# Altium PCB LPC_DevBoard.PcbDoc
Units mm, origin at the board's own origin, x right, y up, seen from the top; angles counter-clockwise.
Board outline 95 x 45 mm, 4 copper layers (Top Layer, Layer 1, Layer 2, Bottom Layer), stack 1.171 mm thick; 143 components, 122 nets, 561 pads, 0 vias.
Unrouted connection lines stored in the file: 393.
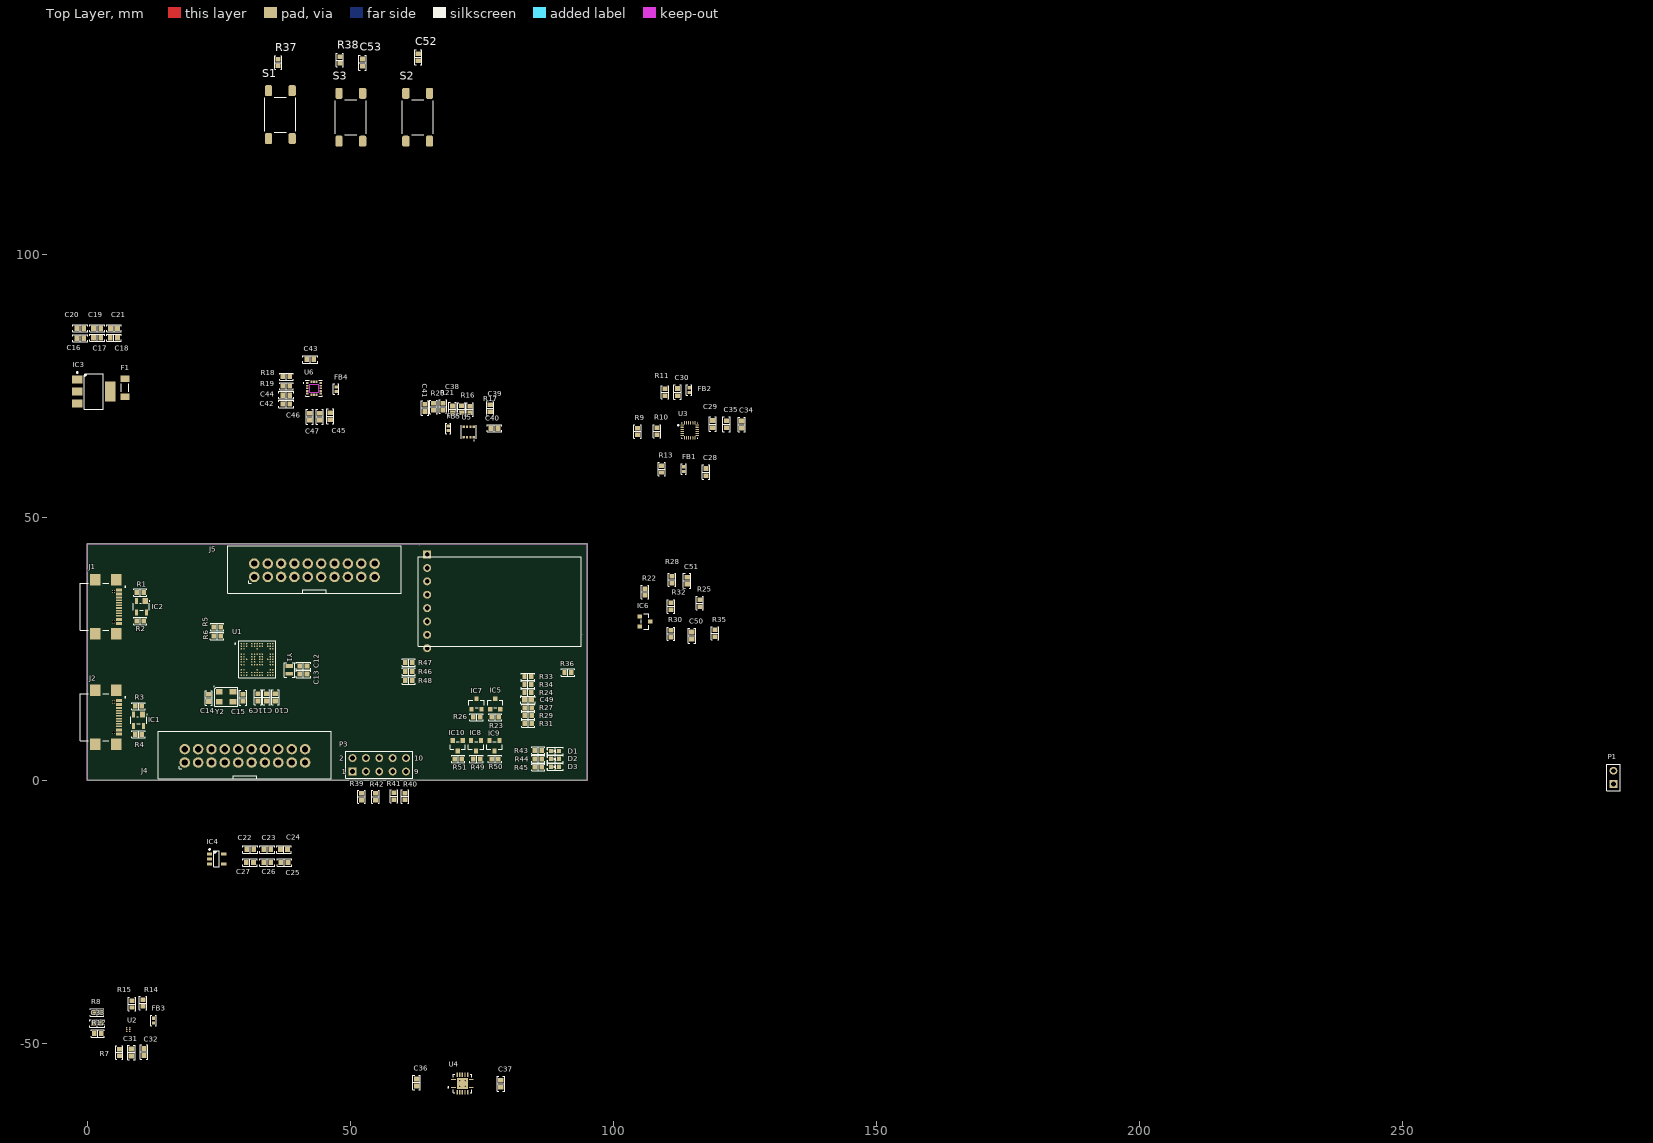
[diagram p0: Top Layer view]
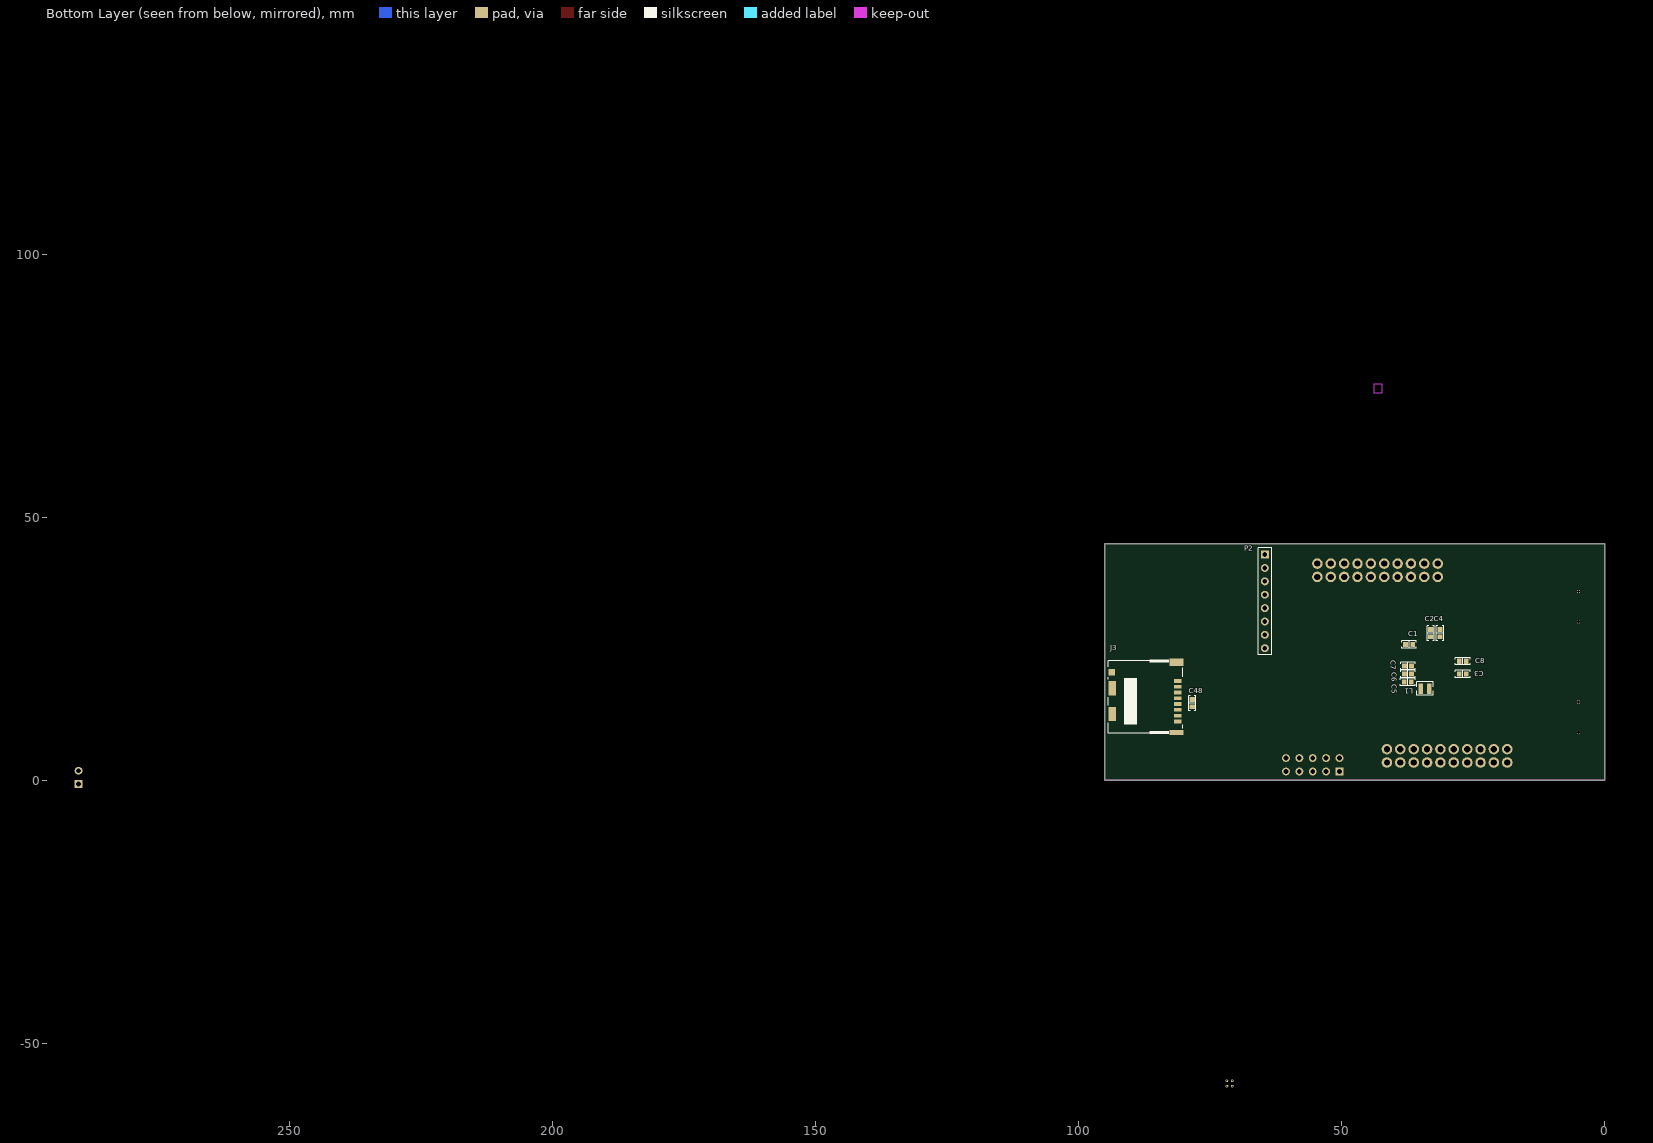
[diagram p1: Bottom Layer view, seen from below]

## Layer stack, top to bottom
Top Solder: solder mask 0.0102, Solder Resist, Dk 3.8
Top Layer: signal copper 0.0356
Dielectric 2: prepreg 0.2, PP-006, Dk 4.6
Layer 1: signal copper 0.0175
Dielectric 1: dielectric 0.665, FR-4, Dk 4.6
Layer 2: signal copper 0.0175
Dielectric 3: prepreg 0.2, PP-006, Dk 4.6
Bottom Layer: signal copper 0.0356
Bottom Solder: solder mask 0.0102, Solder Resist, Dk 3.8

## Board outline
0,5 0,45 95,45 95,0 0,0

## Design rules (kind name [scope] priority, off if disabled: settings)
Clearance [All] p1: gap=0.089 ignorepadtopadclearanceinfootprint=FALSE
DiffPairsRouting [All] p1: maxlimit=0.254 minlimit=0.254 mostfreqgap=0.254 toplayer_minwidth=0.381 toplayer_maxwidth=0.381 toplayer_prefwidth=0.381 midlayer1_minwidth=0.381 midlayer1_maxwidth=0.381 midlayer1_prefwidth=0.381 midlayer2_minwidth=0.381 midlayer2_maxwidth=0.381 midlayer2_prefwidth=0.381 bottomlayer_minwidth=0.381 bottomlayer_maxwidth=0.381 bottomlayer_prefwidth=0.381 maxuncoupledlength=12.7
PolygonConnect [All] p1: connectstyle=Relief reliefconductorwidth=0.254 reliefentries=4 polygonreliefangle="90 Angle" airgapwidth=0.254
RoutingVias [All] p1: holewidth=0.25 width=0.45 viastyle="Through Hole" minholewidth=0.2 minwidth=0.45 maxholewidth=1 maxwidth=1.6
SolderMaskExpansion [All] p1: expansion=0.102 istentingtop=FALSE
Width [All] p1: maxlimit=1 minlimit=0.102 preferedwidth=0.2
29 further rules are at their usual default settings.

## Classes and differential pairs
component class Sensors: C28 C29 C30 C31 C32 C33 C34 C35 C36 C37 C38 C39 C40 C41 C42 C43 C44 C45 C46 C47 FB1 FB2 FB3 FB4 FB5 R7 R8 R9 R10 R11 R12 R13 R14 R15 R16 R17 R18 R19 R20 R21 U2 U3 U4 U5 U6
component class microSD_Display: C48 C49 C50 C51 C52 C53 D1 D2 D3 IC5 IC6 IC7 IC8 IC9 IC10 J3 P1 P2 P3 R22 R23 R24 R25 R26 R27 R28 R29 R30 R31 R32 R33 R34 R35 R36 R37 R38 R39 R40 R41 R42 R43 R44 R45 R46 R47 R48 R49 R50 R51 S1 S2 S3
component class Main: C1 C2 C3 C4 C5 C6 C7 C8 C9 C10 C11 C12 C13 C14 C15 C16 C17 C18 C19 C20 C21 C22 C23 C24 C25 C26 C27 F1 IC1 IC2 IC3 IC4 J1 J2 J4 J5 L1 R1 R2 R3 R4 R5 R6 U1 Y1 Y2
differential pair USB_D: +USB_D_P -USB_D_N
differential pair USB1_D: +USB1_D_P -USB1_D_N

## Components (designator, comment, footprint, x,y, rotation, side; value= is the part's Value field where it differs from the comment)
C1 "0.1 µF" "CAP 0603_1608" 37.194,25.816 r180 bottom
C2 "0.1 µF" "CAP 0603_1608" 33.09,27.975 r270 bottom
C3 "0.1 µF" "CAP 0603_1608" 26.994,20.228 r0 bottom
C4 "0.1 µF" "CAP 0603_1608" 31.312,27.975 r270 bottom
C5 "0.1 µF" "CAP 0603_1608" 37.448,18.704 r180 bottom
C6 "0.1 µF" "CAP 0603_1608" 37.408,20.228 r180 bottom
C7 "0.1 µF" "CAP 0603_1608" 37.408,21.752 r180 bottom
C8 "0.1 µF" "CAP 0603_1608" 26.994,22.641 r0 bottom
C9 "22µF" "CAP 0603_1608" 32.455,15.783 r270 top
C10 "0.1 µF" "CAP 0603_1608" 35.757,15.783 r90 top
C11 "47 pF" "CAP 0603_1608" 34.106,15.783 r90 top
C12 "12 pF" "CAP 0603_1608" 41.091,21.752 r0 top
C13 "12 pF" "CAP 0603_1608" 41.091,20.228 r0 top
C14 "12 pF" "CAP 0603_1608" 23.1,15.675 r270 top
C15 "12 pF" "CAP 0603_1608" 29.6,15.7 r90 top
C16 "22µF" "CAP 0603_1608" -1.3,84 r180 top
C17 "0.1 µF" "CAP 0603_1608" 1.9,84.1 r180 top
C18 "47 pF" "CAP 0603_1608" 5.075,84.1 r0 top
C19 "0.47 µF" "CAP 0603_1608" 1.9,85.9 r180 top
C20 "0.1 µF" "CAP 0603_1608" -1.325,85.9 r0 top
C21 "4.7 µF" "CAP 0603_1608" 5.1,85.9 r0 top
C22 "0.47 µF" "CAP 0603_1608" 30.975,-13.1 r180 top
C23 "0.1 µF" "CAP 0603_1608" 34.225,-13.1 r180 top
C24 "4.7 µF" "CAP 0603_1608" 37.4,-13.1 r180 top
C25 "22µF" "CAP 0603_1608" 37.475,-15.6 r180 top
C26 "47 pF" "CAP 0603_1608" 34.225,-15.6 r180 top
C27 "0.1 µF" "CAP 0603_1608" 30.925,-15.6 r180 top
C28 "0.1 µF" "CAP 0603_1608" 117.574,58.575 r90 top
C29 "0.1 µF" "CAP 0603_1608" 118.874,67.7 r90 top
C30 "0.1 µF" "CAP 0603_1608" 112.174,73.775 r90 top
C31 "20pF" "CAP 0603_1608" 8.4,-51.7 r90 top
C32 "0.1 µF" "CAP 0603_1608" 10.8,-51.6 r90 top
C33 "20pF" "CAP 0603_1608" 1.9,-46.2 r180 top
C34 "20pF" "CAP 0603_1608" 124.374,67.6 r90 top
C35 "20pF" "CAP 0603_1608" 121.474,67.675 r90 top
C36 "0.1 µF" "CAP 0603_1608" 62.6,-57.4 r90 top
C37 "0.1 µF" "CAP 0603_1608" 78.6,-57.65 r90 top
C38 "20pF" "CAP 0603_1608" 69.4,70.475 r90 top
C39 "0.1 µF" "CAP 0603_1608" 76.6,70.7 r270 top
C40 "0.1 µF" "CAP 0603_1608" 77.375,66.9 r0 top
C41 "20pF" "CAP 0603_1608" 64.2,70.775 r90 top
C42 "20pF" "CAP 0603_1608" 37.825,71.5 r180 top
C43 "0.1 µF" "CAP 0603_1608" 42.4,80 r180 top
C44 "20pF" "CAP 0603_1608" 37.825,73.2 r180 top
C45 "0.1 µF" "CAP 0603_1608" 46.2,69.2 r270 top
C46 "1 µF" "CAP 0603_1608" 42.3,69.1 r270 top
C47 "10 µF" "CAP 0603_1608" 44.2,69.1 r270 top
C48 "0.1 µF" "CAP 0603_1608" 78.4,14.675 r90 bottom
C49 "0.47 µF" "CAP 0603_1608" 83.775,15.3 r180 top
C50 "0.1 µF" "CAP 0603_1608" 114.9,27.5 r90 top
C51 "0.1 µF" "CAP 0603_1608" 114,37.925 r90 top
C52 "10000pF" "CAP 0603_1608" 62.9,137.4 r90 top
C53 "10000pF" "CAP 0603_1608" 52.3,136.375 r90 top
D1 "Red" "LED 0603_1608 RED" 88.9,5.6 r180 top
D2 "Green" "LED 0603_1608 GREEN" 88.9,4.1 r180 top
D3 "Blue" "LED 0603_1608 BLUE" 88.9,2.6 r180 top
F1 "3413.0215.22" "FUSE 1206_3216 0.6MM" 7.2,74.6 r90 top
FB1 "100 Ohms @ 100MHz" "FER 0402_1005" 113.374,59.16 r90 top
FB2 "100 Ohms @ 100MHz" "FER 0402_1005" 114.374,74.16 r90 top
FB3 "100 Ohms @ 100MHz" "FER 0402_1005" 12.6,-45.64 r90 top
FB4 "100 Ohms @ 100MHz" "FER 0402_1005" 47.3,74.34 r90 top
FB5 "100 Ohms @ 100MHz" "FER 0402_1005" 68.6,66.9 r270 top
IC1 "PRTR5V0U2X,215" SOT143B 9.779,11.43 r270 top
IC2 "PRTR5V0U2X,215" SOT143B 10.3,33 r270 top
IC3 "NCP1117LPST33T3G" "ON SEMI SOT-223 ST(318H)" 1.25,73.9 r0 top
IC4 "TPS76318DBVR" "TI SOT-23-5 DBV" 24.6,-14.9 r0 top
IC5 "BSS84-7-F" "DIODES SOT-23-3" 77.55,14.5 r90 top
IC6 "BSS84-7-F" "DIODES SOT-23-3" 106,30.2 r0 top
IC7 "BSS138-7-F" "DIODES SOT-23-3" 74,14.5 r90 top
IC8 "BSS138-7-F" "DIODES SOT-23-3" 73.9,6.6 r270 top
IC9 "BSS138-7-F" "DIODES SOT-23-3" 77.4,6.6 r270 top
IC10 "BSS138-7-F" "DIODES SOT-23-3" 70.4,6.6 r270 top
J1 "USB4110-GF-A_REVB2" USBNew 5,33 r270 top
J2 "USB4110-GF-A_REVB" GCT_USB4110-GF-A_REVB 5,12 r270 top
J3 "DM3CS-SF" "HIROSE DM3CS" 87.425,15.775 r90 bottom locked
J4 "SBH11-NBPC-D10-ST-BK" "SULLINS SBH11-NBPC-D10-ST-BK" 29.97,4.67 r90 top
J5 "SBH11-NBPC-D10-ST-BK" "SULLINS SBH11-NBPC-D10-ST-BK" 43.19,39.93 r90 top
L1 "4.7 µH" "TDK VLS252012CX" 34.17,17.434 r0 bottom
P1 "Header 2" HDR1X2 290,-0.7 r90 top
P2 "1.14\" IPS LCD" HDR1X8 64.6,42.9 r270 bottom
P3 "Header 5X2" HDR2X5 50.42,1.7 r0 top
R1 "5.1 kOhms" "RES 0603_1608" 10.1,35.7 r180 top
R2 "5.1 kOhms" "RES 0603_1608" 10.1,30.3 r0 top
R3 "5.1 kOhms" "RES 0603_1608" 9.764,14.097 r180 top
R4 "5.1 kOhms" "RES 0603_1608" 9.764,8.763 r0 top
R5 "33 Ohms" "RES 0603_1608" 24.708,29.118 r0 top
R6 "33 Ohms" "RES 0603_1608" 24.693,27.467 r0 top
R7 "33 Ohms" "RES 0603_1608" 6.1,-51.7 r270 top
R8 "33 Ohms" "RES 0603_1608" 1.9,-44.1 r180 top
R9 "33 Ohms" "RES 0603_1608" 104.574,66.3 r90 top
R10 "33 Ohms" "RES 0603_1608" 108.274,66.35 r90 top
R11 "0 Ohms" "RES 0603_1608" 109.774,73.75 r90 top
R12 "10 kOhms" "RES 0603_1608" 2,-48.1 r180 top
R13 "0 Ohms" "RES 0603_1608" 109.174,59.15 r90 top
R14 "0 Ohms" "RES 0603_1608" 10.6,-42.3 r90 top
R15 "0 Ohms" "RES 0603_1608" 8.5,-42.5 r270 top
R16 "33 Ohms" "RES 0603_1608" 71.1,70.525 r90 top
R17 "33 Ohms" "RES 0603_1608" 72.7,70.475 r90 top
R18 "33 Ohms" "RES 0603_1608" 37.85,76.7 r0 top
R19 "33 Ohms" "RES 0603_1608" 37.85,74.9 r180 top
R20 "0 Ohms" "RES 0603_1608" 65.8,70.975 r90 top
R21 "0 Ohms" "RES 0603_1608" 67.6,71.025 r90 top
R22 "100 kOhms" "RES 0603_1608" 106,35.8 r90 top
R23 "100 kOhms" "RES 0603_1608" 77.55,12 r0 top
R24 "47 kOhms" "RES 0603_1608" 83.75,16.7 r0 top
R25 "100 kOhms" "RES 0603_1608" 116.4,33.675 r90 top
R26 "100 kOhms" "RES 0603_1608" 74,12 r180 top
R27 "47 kOhms" "RES 0603_1608" 83.8,13.8 r0 top
R28 "33 Ohms" "RES 0603_1608" 111.1,38.125 r90 top
R29 "47 kOhms" "RES 0603_1608" 83.8,12.3 r0 top
R30 "33 Ohms" "RES 0603_1608" 110.9,27.875 r90 top
R31 "47 kOhms" "RES 0603_1608" 83.8,10.8 r0 top
R32 "33 Ohms" "RES 0603_1608" 110.9,33.075 r90 top
R33 "47 kOhms" "RES 0603_1608" 83.75,19.7 r0 top
R34 "47 kOhms" "RES 0603_1608" 83.75,18.2 r0 top
R35 "33 Ohms" "RES 0603_1608" 119.3,27.95 r90 top
R36 "47 kOhms" "RES 0603_1608" 91.35,20.5 r180 top
R37 "2.2 kOhms" "RES 0603_1608" 36.3,136.4 r90 top
R38 "100 kOhms" "RES 0603_1608" 48,136.875 r90 top
R39 "10 kOhms" "RES 0603_1608" 52.1,-3.1 r90 top
R40 "10 kOhms" "RES 0603_1608" 60.4,-3.05 r90 top
R41 "10 kOhms" "RES 0603_1608" 58.3,-3 r90 top
R42 "10 kOhms" "RES 0603_1608" 54.8,-3.1 r90 top
R43 "150 Ohms" "RES 0603_1608" 85.7,5.7 r180 top
R44 "150 Ohms" "RES 0603_1608" 85.7,4.1 r180 top
R45 "150 Ohms" "RES 0603_1608" 85.7,2.5 r180 top
R46 "33 Ohms" "RES 0603_1608" 61.1,20.7 r180 top
R47 "33 Ohms" "RES 0603_1608" 61.1,22.4 r180 top
R48 "33 Ohms" "RES 0603_1608" 61.1,19 r180 top
R49 "100 kOhms" "RES 0603_1608" 74,4.1 r0 top
R50 "100 kOhms" "RES 0603_1608" 77.5,4.1 r0 top
R51 "100 kOhms" "RES 0603_1608" 70.5,4.1 r0 top
S1 "1-1977223-1" "TE FSM4JSMA" 36.7,126.5 r180 top
S2 "1-1977223-1" "TE FSM4JSMA" 62.8,126 r180 top
S3 "1-1977223-1" "TE FSM4JSMA" 50.1,126 r180 top
U1 "LPC55S69JEV98K" IC_LPC55S69JEV98K 32.3,23 r0 top
U2 "OPT3006YMFR" YMF0006A 7.8,-47.35 r0 top
U3 "ICM-20948" TDK_InvenSense_0_IPC_C 114.474,66.5 r0 top
U4 "TXB0104RGYR" QFN50P350X350X100-15N 71.3,-57.59 r0 top
U5 "BME280" PSON65P250X250X100-8N 72.5,66.2 r270 top
U6 "IAM-20381" PQFN50P300X300X80-16N 43.1,74.5 r0 top
Y1 "32.768 kHz" "ABRACON ABS06" 38.424,20.99 r90 top
Y2 "16MHz" "KYOCERA CX3225GB" 26.4,15.9 r0 top

## Footprints (in the part's own frame and the unit in brackets; to place one, negate y for a bottom-side part, rotate by r counter-clockwise, add the part's x,y. Pads: shape width x height; smd on the part's side, far side on the other; paste and mask are expansions set on the pad)
"ABRACON ABS06" [mm] "Crystal, 2-Leads, Body 1.20x2.00mm, Pitch 1.50mm, IPC Medium Density"
  rect 0.75x1.4 smd: 1(-0.725,0) 2(0.725,0)
  silkscreen extent -1.4,-1 1.4,1, body extent -1.02,-0.62 1.03,0.63, height 0.6
"CAP 0603_1608" [mm] "Chip Capacitor, 2-Leads, Body 1.60x0.80mm, IPC Medium Density"
  rect 0.9x1 smd: 1(-0.675,0) 2(0.675,0)
  silkscreen extent -1.4,-0.7 1.4,0.7, body extent -0.8,-0.41 0.8,0.41, height 0.82
"DIODES SOT-23-3" [mm] "SOT23, 3-Leads, Body 2.90x2.40mm, Pitch 0.95mm, IPC Medium Density"
  rect 0.9x0.8 smd: 1(-1,0.95) 2(-1,-0.95) 3(1,0)
  silkscreen extent -0.7,-1.45 0.7,1.45, body extent -1.41,-1.45 1.41,1.45, height 1.5
"FER 0402_1005" [mm] "Chip Ferrite, 2-Leads, Body 1.02x0.51mm, IPC Medium Density"
  rect 0.6x0.64 smd: 1(-0.44,0) 2(0.44,0)
  silkscreen extent -1,-0.5 1,0.5, body extent -0.5,-0.26 0.5,0.26, height 0.52
"FUSE 1206_3216 0.6MM" [mm] "Chip Fuse 1.5A AC 63V DC, 2-Leads, Body 3.10x1.55mm, IPC Medium Densitym"
  rect 1.25x1.65 smd: 1(-1.725,0) 2(1.725,0)
  silkscreen extent -0.8,-0.72 0.8,0.72, body extent -1.55,-0.77 1.55,0.78, height 0.76
GCT_USB4110-GF-A_REVB [mm]
  rect 0.6x1.15 smd: A1/B12(-3.2,1.075) A4/B9(-2.4,1.075) B1/A12(3.2,1.075) B4/A9(2.4,1.075)
  rect 0.3x1.15 smd: A5(-1.25,1.075) A6(-0.25,1.075) A7(0.25,1.075) A8(1.25,1.075) B5(1.75,1.075) B6(0.75,1.075) B7(-0.75,1.075) B8(-1.75,1.075)
  rect 2.18x2 smd: S1(-5.11,0.5) S2(5.11,0.5) S3(-5.11,-3.43) S4(5.11,-3.43)
  round 0.65 hole 0.65 unplated: ""(-2.89,0) ""(2.89,0)
  silkscreen extent -4.47,-6.28 4.47,2.33, body extent -5.65,-6.28 5.65,1.42, height 3.26
HDR1X2 [mm] "Connector; Header; 2 Position"
  rect 1.5x1.5 hole 0.9: 1(0,0)
  round 1.5 hole 0.9: 2(2.54,0)
  silkscreen extent -1.27,-1.27 3.81,1.27
HDR1X8 [mm] "Connector; Header; 8 Position"
  rect 1.5x1.5 hole 0.9: 1(0,0)
  round 1.5 hole 0.9: 2(2.54,0) 3(5.08,0) 4(7.62,0) 5(10.16,0) 6(12.7,0) 7(15.24,0) 8(17.78,0)
  silkscreen extent -1.27,-1.27 19.05,1.27
HDR2X5 [mm] "Connector; Header; 5x2 Position"
  rect 1.5x1.5 hole 0.9: 1(0,0)
  round 1.5 hole 0.9: 2(0,2.54) 3(2.54,0) 4(2.54,2.54) 5(5.08,0) 6(5.08,2.54) 7(7.62,0) 8(7.62,2.54) 9(10.16,0) 10(10.16,2.54)
  silkscreen extent -1.27,-1.27 11.43,3.81
"HIROSE DM3CS" [mm]
  rect 0.7x1.5 smd: 1(3.125,-6.275) 2(2.025,-6.275) 3(0.925,-6.275) 4(-0.175,-6.275) 5(-1.275,-6.275) 6(-2.375,-6.275) 7(-3.475,-6.275) 8(-4.575,-6.275)
  rect 2.7x1.4 smd: 9(1.725,6.175) S(-3.175,6.175)
  rect 1x2.6 smd: S(-6.675,-6.025)
  rect 1.2x1.2 smd: S(4.775,6.275)
  rect 1.5x2.6 smd: S(6.675,-6.025)
  silkscreen extent -6.98,-7.2 7.23,6.9, body extent -6.8,-7.2 7,6.9, height 1.93
IC_LPC55S69JEV98K [mm]
  round 0.28 smd paste+0.03 mask+0.05: A1(-3,3) A2(-2.5,3) A3(-2,3) A5(-1,3) A6(-0.5,3) A7(0,3) A8(0.5,3) A9(1,3) A11(2,3) A12(2.5,3) A13(3,3) B1(-3,2.5) B2(-2.5,2.5) B3(-2,2.5) B5(-1,2.5) B6(-0.5,2.5) B7(0,2.5) B8(0.5,2.5) B9(1,2.5) B11(2,2.5) B12(2.5,2.5) B13(3,2.5) C1(-3,2) C2(-2.5,2) C7(0,2) C12(2.5,2) C13(3,2) E1(-3,1) E2(-2.5,1) E5(-1,1) E6(-0.5,1) E7(0,1) E8(0.5,1) E9(1,1) E12(2.5,1) E13(3,1) F1(-3,0.5) F2(-2.5,0.5) F5(-1,0.5) F6(-0.5,0.5) F8(0.5,0.5) F9(1,0.5) F12(2.5,0.5) F13(3,0.5) G1(-3,0) G2(-2.5,0) G3(-2,0) G5(-1,0) G6(-0.5,0) G8(0.5,0) G9(1,0) G11(2,0) G12(2.5,0) G13(3,0) H1(-3,-0.5) H2(-2.5,-0.5) H5(-1,-0.5) H6(-0.5,-0.5) H8(0.5,-0.5) H9(1,-0.5) H12(2.5,-0.5) H13(3,-0.5) J1(-3,-1) J2(-2.5,-1) J5(-1,-1) J6(-0.5,-1) J7(0,-1) J8(0.5,-1) J9(1,-1) J12(2.5,-1) J13(3,-1) L1(-3,-2) L2(-2.5,-2) L7(0,-2) L12(2.5,-2) L13(3,-2) M1(-3,-2.5) M2(-2.5,-2.5) M3(-2,-2.5) M5(-1,-2.5) M6(-0.5,-2.5) M7(0,-2.5) M8(0.5,-2.5) M9(1,-2.5) M11(2,-2.5) M12(2.5,-2.5) M13(3,-2.5) N1(-3,-3) N2(-2.5,-3) N3(-2,-3) N5(-1,-3) N6(-0.5,-3) N7(0,-3) N8(0.5,-3) N9(1,-3) N11(2,-3) N12(2.5,-3) N13(3,-3)
  silkscreen extent -4.3,-3.5 3.5,3.5, body extent -3.5,-3.5 3.5,3.5, height 0.97
"KYOCERA CX3225GB" [mm] "Crystal, 4-Leads, Body 2.50x3.20mm, Pitch 2.20mm, IPC Medium Density"
  rect 1.3x1.05 smd: 1(-1.3,0.925) 2(-1.3,-0.925) 3(1.3,-0.925) 4(1.3,0.925)
  silkscreen extent -2.35,-1.8 2.2,1.95, body extent -1.61,-1.26 1.61,1.26, height 0.85
"LED 0603_1608 BLUE" [mm] "Chip Diode, 2-Leads, Body 1.60x0.80mm, IPC Medium Density"
  rect 0.8x0.8 smd: 1(-0.75,0) 2(0.75,0)
  silkscreen extent -1.52,-0.7 1.52,0.7, body extent -0.8,-0.4 0.8,0.4, height 0.53
"LED 0603_1608 GREEN" [mm] "Chip Diode, 2-Leads, Body 1.60x0.80mm, IPC Medium Density"
  rect 0.8x0.8 smd: 1(-0.75,0) 2(0.75,0)
  silkscreen extent -1.52,-0.7 1.52,0.7, body extent -0.8,-0.4 0.8,0.4, height 0.53
"LED 0603_1608 RED" [mm] "Chip Diode, 2-Leads, Body 1.60x0.80mm, IPC Medium Density"
  rect 0.8x0.8 smd: 1(-0.75,0) 2(0.75,0)
  silkscreen extent -1.52,-0.7 1.52,0.7, body extent -0.8,-0.4 0.8,0.4, height 0.53
"ON SEMI SOT-223 ST(318H)" [mm] "SOT223, 4-Leads, Body 6.50x7.00mm (avg), Pitch 2.30mm, IPC Medium Density"
  rect 2x1.5 smd: 1(-3.15,2.3) 2(-3.15,0) 3(-3.15,-2.3)
  rect 2x3.8 smd: 4(3.15,0)
  silkscreen extent -3.27,-3.35 1.85,3.72, body extent -3.52,-3.25 3.5,3.25, height 1.8
PQFN50P300X300X80-16N [mm]
  rrect25% 0.49x0.35 smd: 1(-1.26,1) 2(-1.26,0.5) 3(-1.26,0) 4(-1.26,-0.5) 5(-1.26,-1) 9(1.26,-1) 10(1.26,-0.5) 11(1.26,0) 12(1.26,0.5) 13(1.26,1)
  rrect25% 0.35x0.49 smd: 6(-0.5,-1.26) 7(0,-1.26) 8(0.5,-1.26) 14(0.5,1.26) 15(0,1.26) 16(-0.5,1.26)
  Keep-Out Layer region: 0.8,-0.8 -0.8,-0.8 -0.8,0.8 0.8,0.8
  Keep-Out Layer region: 0.8,-0.8 -0.8,-0.8 -0.8,0.8 0.8,0.8
  silkscreen extent -2.05,-1.55 1.55,1.55, body extent -1.5,-1.5 1.5,1.5, height 0.78
PSON65P250X250X100-8N [mm]
  rrect25% 0.49x0.45 smd: 1(0.97,0.975) 2(0.97,0.325) 3(0.97,-0.325) 4(0.97,-0.975) 5(-0.97,-0.975) 6(-0.97,-0.325) 7(-0.97,0.325) 8(-0.97,0.975)
  silkscreen extent -1.3,-1.39 1.65,1.39, body extent -1.25,-1.25 1.25,1.25, height 1
QFN50P350X350X100-15N [mm]
  rrect25% 0.9x0.26 smd: 1(-1.685,-0.75) 7(1.685,-0.75) 8(1.685,0.75) 14(-1.685,0.75)
  rrect25% 0.26x0.9 smd: 2(-1,-1.685) 3(-0.5,-1.685) 4(0,-1.685) 5(0.5,-1.685) 6(1,-1.685) 9(1,1.685) 10(0.5,1.685) 11(0,1.685) 12(-0.5,1.685) 13(-1,1.685)
  rect 2.05x2.05 smd paste-2: 15(0,0)
  round 0.5 hole 0.3 mask+0: 16(-0.5,0.5) 17(0.5,0.5) 18(0.5,-0.5) 19(-0.5,-0.5)
  silkscreen extent -2.78,-1.75 1.75,1.75, body extent -1.75,-1.75 1.75,1.75, height 1
"RES 0603_1608" [mm] "Chip Resistor, 2-Leads, Body 1.60x0.80mm, IPC Medium Density"
  rect 0.85x0.95 smd: 1(-0.65,0) 2(0.65,0)
  silkscreen extent -1.27,-0.7 1.27,0.7, body extent -0.8,-0.4 0.8,0.4, height 0.45
SOT143B [mm] "SOT143, 4-Leads, Body 2.90x2.30mm, Pitch 1.90mm, IPC Medium Density"
  rect 1.15x1 smd: 1(-1.075,0.75)
  rect 1.15x0.6 smd: 2(-1.075,-0.95) 3(1.075,-0.95) 4(1.075,0.95)
  silkscreen extent -1.12,-1.5 0.7,1.6, body extent -1.1,-1.45 1.1,1.45, height 1
"SULLINS SBH11-NBPC-D10-ST-BK" [mm]
  round 2 hole 1.2: 1(-1.27,11.43) 2(-1.27,8.89) 3(-1.27,6.35) 4(-1.27,3.81) 5(-1.27,1.27) 6(-1.27,-1.27) 7(-1.27,-3.81) 8(-1.27,-6.35) 9(-1.27,-8.89) 10(-1.27,-11.43) 11(1.27,-11.43) 12(1.27,-8.89) 13(1.27,-6.35) 14(1.27,-3.81) 15(1.27,-1.27) 16(1.27,1.27) 17(1.27,3.81) 18(1.27,6.35) 19(1.27,8.89) 20(1.27,11.43)
  silkscreen extent -4.4,-16.45 4.7,16.45, body extent -4.4,-16.45 4.7,16.45, height 9.1
"TDK VLS252012CX" [mm] "Inductor, 2-Leads, Body 2.50x2.00mm, IPC Medium Density"
  rect 0.85x2 smd: 1(-0.825,0) 2(0.825,0)
  silkscreen extent -1.6,-1.3 1.6,1.3, body extent -1.25,-1 1.25,1, height 1.2
TDK_InvenSense_0_IPC_C [mm]
  rect 0.661x0.192 smd paste+0 mask+0: 1(-1.426,1)
  rrect100% 0.661x0.192 smd paste+0 mask+0: 2(-1.426,0.6) 3(-1.426,0.2) 4(-1.426,-0.2) 5(-1.426,-0.6) 6(-1.426,-1) 13(1.426,-1) 14(1.426,-0.6) 15(1.426,-0.2) 16(1.426,0.2) 17(1.426,0.6) 18(1.426,1)
  rrect100% 0.192x0.661 smd paste+0 mask+0: 7(-1,-1.426) 8(-0.6,-1.426) 9(-0.2,-1.426) 10(0.2,-1.426) 11(0.6,-1.426) 12(1,-1.426) 19(1,1.426) 20(0.6,1.426) 21(0.2,1.426) 22(-0.2,1.426) 23(-0.6,1.426) 24(-1,1.426)
  silkscreen extent -2.28,-1.5 1.5,1.5, body extent -1.86,-1.86 1.86,1.86, height 0.25
"TE FSM4JSMA" [mm]
  rrect50% 1.4x2.1 smd: 1(2.25,4.55) 2(2.25,-4.55) 3(-2.25,4.55) 4(-2.25,-4.55)
  silkscreen extent -2.92,-3.3 2.92,3.3, body extent -3,-5 3,5, height 5.08
"TI SOT-23-5 DBV" [mm] "SOT23, 5-Leads, Body 2.90x2.80mm, Pitch 0.95mm, IPC Medium Density"
  rect 1x0.55 smd: 1(-1.35,0.95) 2(-1.35,0) 3(-1.35,-0.95) 4(1.35,-0.95) 5(1.35,0.95)
  silkscreen extent -1.47,-1.55 0.5,1.9, body extent -1.44,-1.43 1.39,1.48, height 1.5
USBNew [mm]
  rect 0.6x1.15 smd: A1/B12(-3.2,1.075) A4/B9(-2.4,1.075) B1/A12(3.2,1.075) B4/A9(2.4,1.075)
  rect 0.3x1.15 smd: A5(-1.25,1.075) A6(-0.25,1.075) A7(0.25,1.075) A8(1.25,1.075) B5(1.75,1.075) B6(0.75,1.075) B7(-0.75,1.075) B8(-1.75,1.075)
  rect 2.18x2 smd: S1(-5.11,0.5) S2(5.11,0.5) S3(-5.11,-3.43) S4(5.11,-3.43)
  round 0.65 hole 0.65 unplated: ""(-2.89,0) ""(2.89,0)
  silkscreen extent -4.47,-6.28 4.47,2.33, body extent -5.65,-6.28 5.65,1.42, height 3.26
YMF0006A [mm]
  round 0.25 smd paste-0.112 mask-0.051: A1(-0.3,0.35) A2(0.3,0.35) B1(-0.3,0) B2(0.3,0) C1(-0.3,-0.35) C2(0.3,-0.35)
  body extent -0.43,-0.47 0.43,0.47, height 0.25

## Part data
C1 C2 C3 C4 C5 C6 C7 C8 C10 C17 C20 C23 C27 C28 C29 C30 C32 C39 C40 C48 C50 C51: library part CS0603KRX7R7BB104, "CAP CER 0.1UF 16V X7R 0603", Device Package="0603 (1608 Metric)", manufacturer=Yageo, Operating Temperature="-55°C ~ 125°C", Supplier Part Number 1=311-3560-1-ND, Temperature Coefficient=X7R, Tolerance=±10%, Voltage - Rated=16V, Applications="Boardflex Sensitive", Capacitance="0.1 µF", componentlink1description=Datasheet, componentlink1url=http://www.yageo.com/NewPortal/yageodocoutput?fileName=/pdf/MLCC/UPY-ST_NPOX7R_16V-to-3KV_5.pdf, componentlink2description="DigiKey Link", componentlink2url=https://www.digikey.com/en/products/detail/yageo/CS0603KRX7R7BB104/6097897, Features="Soft Termination", lastupdated="12.06.2022 00:52:33", Lifecycle Status=Active, Minimum Order=1, Mounting Type="Surface Mount, MLCC", Package / Case="0603 (1608 Metric)", packaging=TapeAndReel, Part Number=CS0603KRX7R7BB104, Part Status=Active, partid=2286, price=0.02, series=CS, Size / Dimension="0.063\" L x 0.031\" W (1.60mm x 0.80mm)", Supplier 1=DigiKey, Thickness (Max)="0.037\" (0.95mm)"
C9 C16 C25: library part 06036D226MAT2A, "CAP CER 22UF 6.3V X5R 0603", Device Package="0603 (1608 Metric)", manufacturer="AVX Corporation", Operating Temperature="-55°C ~ 85°C", Supplier Part Number 1=478-10812-1-ND, Temperature Coefficient=X5R, Tolerance=±20%, Voltage - Rated=6.3V, Applications="General Purpose", Capacitance=22µF, componentlink1description=Datasheet, componentlink1url=http://datasheets.avx.com/cx5r.pdf, componentlink2description="DigiKey Link", componentlink2url=http://digikey.com/product-detail/en/avx-corporation/06036D226MAT2A/478-10812-1-ND/7536349, lastupdated="2.09.2020 01:03:16", Lifecycle Status=Active, Minimum Order=1, Mounting Type="Surface Mount, MLCC", Package / Case="0603 (1608 Metric)", packaging=TapeAndReel, Part Number=06036D226MAT2A, Part Status=Active, partid=13180, price=0.10, series=-, Size / Dimension="0.063\" L x 0.032\" W (1.60mm x 0.81mm)", Supplier 1=DigiKey, Thickness (Max)="0.040\" (1.02mm)"
C11 C18 C26: library part C0603C470J3GACAUTO, "CAP CER 47PF 25V C0G/NP0 0603", Device Package="0603 (1608 Metric)", manufacturer=KEMET, Operating Temperature="-55°C ~ 125°C", Ratings=AEC-Q200, Supplier Part Number 1=399-6889-1-ND, Temperature Coefficient="C0G, NP0", Tolerance=±5%, Voltage - Rated=25V, Applications=Automotive, Capacitance="47 pF", componentlink1description=Datasheet, componentlink1url=https://api.kemet.com/component-edge/download/datasheet/C0603C470J3GACAUTO.pdf, componentlink2description="DigiKey Link", componentlink2url=https://www.digikey.com/en/products/detail/kemet/C0603C470J3GACAUTO/3314884, Features="Low ESL", lastupdated="12.06.2022 00:51:55", Lifecycle Status=Active, Minimum Order=1, Mounting Type="Surface Mount, MLCC", Package / Case="0603 (1608 Metric)", packaging=TapeAndReel, Part Number=C0603C470J3GACAUTO, Part Status=Active, partid=15056, price=0.02, series="SMD Auto C0G", Size / Dimension="0.063\" L x 0.031\" W (1.60mm x 0.80mm)", Supplier 1=DigiKey, Thickness (Max)="0.034\" (0.87mm)"
C12 C13 C14 C15: library part CC0603GRNPO9BN120, "CAP CER 12PF 50V C0G/NPO 0603", Device Package="0603 (1608 Metric)", manufacturer=Yageo, Operating Temperature="-55°C ~ 125°C", Supplier Part Number 1=311-3917-1-ND, Temperature Coefficient="C0G, NP0", Tolerance=±2%, Voltage - Rated=50V, Applications="General Purpose", Capacitance="12 pF", componentlink1description=Datasheet, componentlink1url=https://www.yageo.com/upload/media/product/productsearch/datasheet/mlcc/UPY-GP_NP0_16V-to-50V_17.pdf, componentlink2description="DigiKey Link", componentlink2url=https://www.digikey.com/en/products/detail/yageo/CC0603GRNPO9BN120/5883540, lastupdated="14.06.2022 20:58:18", Lifecycle Status=Active, Minimum Order=1, Mounting Type="Surface Mount, MLCC", Package / Case="0603 (1608 Metric)", packaging=TapeAndReel, Part Number=CC0603GRNPO9BN120, Part Status=Active, partid=3692, price=0.02, series=CC, Size / Dimension="0.063\" L x 0.031\" W (1.60mm x 0.80mm)", Supplier 1=DigiKey, Thickness (Max)="0.035\" (0.90mm)"
C19 C22: library part CC0603KRX5R6BB474, "CAP CER 0.47UF 10V X5R 0603", Device Package="0603 (1608 Metric)", manufacturer=Yageo, Operating Temperature="-55°C ~ 85°C", Supplier Part Number 1=311-1783-1-ND, Temperature Coefficient=X5R, Tolerance=±10%, Voltage - Rated=10V, Applications="General Purpose", Capacitance="0.47 µF", componentlink1description=Datasheet, componentlink1url=https://www.yageo.com/upload/media/product/productsearch/datasheet/mlcc/UPY-GPHC_X5R_4V-to-50V_25.pdf, componentlink2description="DigiKey Link", componentlink2url=https://www.digikey.com/en/products/detail/yageo/CC0603KRX5R6BB474/2345079, lastupdated="12.06.2022 00:52:33", Lifecycle Status=Active, Minimum Order=1, Mounting Type="Surface Mount, MLCC", Package / Case="0603 (1608 Metric)", packaging=TapeAndReel, Part Number=CC0603KRX5R6BB474, Part Status=Active, partid=2283, price=0.02, series=CC, Size / Dimension="0.063\" L x 0.031\" W (1.60mm x 0.80mm)", Supplier 1=DigiKey, Thickness (Max)="0.035\" (0.90mm)"
C21 C24: library part GRM188C71A475KE11D, "CAP CER 4.7UF 10V X7S 0603", Device Package="0603 (1608 Metric)", manufacturer="Murata Electronics", Operating Temperature="-55°C ~ 125°C", Supplier Part Number 1=490-11992-1-ND, Temperature Coefficient=X7S, Tolerance=±10%, Voltage - Rated=10V, Applications="General Purpose", Capacitance="4.7 µF", componentlink1description=Datasheet, componentlink1url=https://search.murata.co.jp/Ceramy/image/img/A01X/G101/ENG/GRM188C71A475KE11-01.pdf, componentlink2description="DigiKey Link", componentlink2url=https://www.digikey.com/en/products/detail/murata-electronics/GRM188C71A475KE11D/4905309, lastupdated="12.06.2022 00:52:33", Lifecycle Status=Active, Minimum Order=1, Mounting Type="Surface Mount, MLCC", Package / Case="0603 (1608 Metric)", packaging=TapeAndReel, Part Number=GRM188C71A475KE11D, Part Status=Active, partid=2397, price=0.05, series=GRM, Size / Dimension="0.063\" L x 0.031\" W (1.60mm x 0.80mm)", Supplier 1=DigiKey, Thickness (Max)="0.037\" (0.95mm)"
C31 C33 C34 C35 C38 C41 C42 C44: library part 06033A200JAT2A, "CAP CER 20PF 25V C0G/NP0 0603", Device Package="0603 (1608 Metric)", manufacturer="AVX Corporation", Operating Temperature="-55°C ~ 125°C", Supplier Part Number 1=478-11802-1-ND, Temperature Coefficient="C0G, NP0", Tolerance=±5%, Voltage - Rated=25V, Applications="General Purpose", Capacitance=20pF, componentlink1description=Datasheet, componentlink1url=http://datasheets.avx.com/C0GNP0-Dielectric.pdf, componentlink2description="DigiKey Link", componentlink2url=http://digikey.com/product-detail/en/avx-corporation/06033A200JAT2A/478-11802-1-ND/8573438, lastupdated="2.09.2020 01:03:34", Lifecycle Status=Active, Minimum Order=1, Mounting Type="Surface Mount, MLCC", Package / Case="0603 (1608 Metric)", packaging=TapeAndReel, Part Number=06033A200JAT2A, Part Status=Active, partid=3067, price=0.04, series=-, Size / Dimension="0.063\" L x 0.032\" W (1.60mm x 0.81mm)", Supplier 1=DigiKey, Thickness (Max)="0.035\" (0.90mm)"
C36 C37 C43 C45: library part TMK107BJ104KA-T, "CAP CER 0.1UF 25V X5R 0603", Device Package="0603 (1608 Metric)", manufacturer="Taiyo Yuden", Operating Temperature="-55°C ~ 85°C", Supplier Part Number 1=587-1245-1-ND, Temperature Coefficient=X5R, Tolerance=±10%, Voltage - Rated=25V, Applications="SMPS Filtering", Capacitance="0.1 µF", componentlink1description=Datasheet, componentlink1url=https://www.yuden.co.jp/productdata/catalog/mlcc01_e.pdf, componentlink2description="DigiKey Link", componentlink2url=https://www.digikey.com/en/products/detail/taiyo-yuden/TMK107BJ104KA-T/930597, lastupdated="18.06.2022 05:53:04", Lifecycle Status=Active, Minimum Order=1, Mounting Type="Surface Mount, MLCC", Package / Case="0603 (1608 Metric)", packaging=TapeAndReel, Part Number=TMK107BJ104KA-T, Part Status=Active, partid=9891, price=0.01, series=M, Size / Dimension="0.063\" L x 0.031\" W (1.60mm x 0.80mm)", Supplier 1=DigiKey, Thickness (Max)="0.035\" (0.90mm)"
C46: library part TMK107BJ105MAHT, "CAP CER 1UF 25V X5R 0603", Device Package="0603 (1608 Metric)", manufacturer="Taiyo Yuden", Operating Temperature="-55°C ~ 85°C", Ratings=AEC-Q200, Supplier Part Number 1=587-6356-1-ND, Temperature Coefficient=X5R, Tolerance=±20%, Voltage - Rated=25V, Applications="Automotive, SMPS Filtering", Capacitance="1 µF", componentlink1description=Datasheet, componentlink1url="https://ds.yuden.co.jp/TYCOMPAS/ut/detail?pn=TMK107BJ105MAHT &u=M", componentlink2description="DigiKey Link", componentlink2url=https://www.digikey.com/en/products/detail/taiyo-yuden/TMK107BJ105MAHT/6563148, Features="Ultra Low ESR", lastupdated="18.06.2022 05:53:24", Lifecycle Status=Active, Minimum Order=1, Mounting Type="Surface Mount, MLCC", Package / Case="0603 (1608 Metric)", packaging=TapeAndReel, Part Number=TMK107BJ105MAHT, Part Status=Active, partid=2797, price=0.02, series=M, Size / Dimension="0.063\" L x 0.031\" W (1.60mm x 0.80mm)", Supplier 1=DigiKey, Thickness (Max)="0.035\" (0.90mm)"
C47: library part TMK107BBJ106MA-T, "CAP CER 10UF 25V X5R 0603", Device Package="0603 (1608 Metric)", manufacturer="Taiyo Yuden", Operating Temperature="-55°C ~ 85°C", Supplier Part Number 1=587-6023-1-ND, Temperature Coefficient=X5R, Tolerance=±20%, Voltage - Rated=25V, Applications="SMPS Filtering", Capacitance="10 µF", componentlink1description=Datasheet, componentlink1url="https://ds.yuden.co.jp/TYCOMPAS/ut/detail?pn=TMK107BBJ106MA-T &u=M", componentlink2description="DigiKey Link", componentlink2url=https://www.digikey.com/en/products/detail/taiyo-yuden/TMK107BBJ106MA-T/7403921, lastupdated="18.06.2022 05:53:06", Lifecycle Status=Active, Minimum Order=1, Mounting Type="Surface Mount, MLCC", Package / Case="0603 (1608 Metric)", packaging=TapeAndReel, Part Number=TMK107BBJ106MA-T, Part Status=Active, partid=8967, price=0.11, series=M, Size / Dimension="0.063\" L x 0.031\" W (1.60mm x 0.80mm)", Supplier 1=DigiKey, Thickness (Max)="0.039\" (1.00mm)"
C49: library part 0603X474K160CT, "CAP CER 0.47UF 16V X5R 0603", Device Package="0603 (1608 Metric)", manufacturer="Walsin Technology Corporation", Operating Temperature="-55°C ~ 85°C", Supplier Part Number 1=1292-1553-1-ND, Temperature Coefficient=X5R, Tolerance=±10%, Voltage - Rated=16V, Applications="General Purpose", Capacitance="0.47 µF", componentlink1description=Datasheet, componentlink1url=http://www.passivecomponent.com/wp-content/uploads/2018/10/MLCC.pdf, componentlink2description="DigiKey Link", componentlink2url=https://www.digikey.com/en/products/detail/walsin-technology-corporation/0603X474K160CT/9355050, lastupdated="19.06.2022 07:49:11", Lifecycle Status=Active, Minimum Order=1, Mounting Type="Surface Mount, MLCC", Package / Case="0603 (1608 Metric)", packaging=TapeAndReel, Part Number=0603X474K160CT, Part Status=Active, partid=41229, price=0.01, series=-, Size / Dimension="0.063\" L x 0.031\" W (1.60mm x 0.80mm)", Supplier 1=DigiKey, Thickness (Max)="0.037\" (0.95mm)"